# Altium PCB Fri3D_2026_01.PcbDoc (part 3 of 3)
Units mm, origin at the board's own origin, x right, y up, seen from the top; angles counter-clockwise.
Board outline 119 x 61 mm, 2 copper layers (Top Layer, Bottom Layer), stack 1.571 mm thick; 124 components, 92 nets, 509 pads, 184 vias.
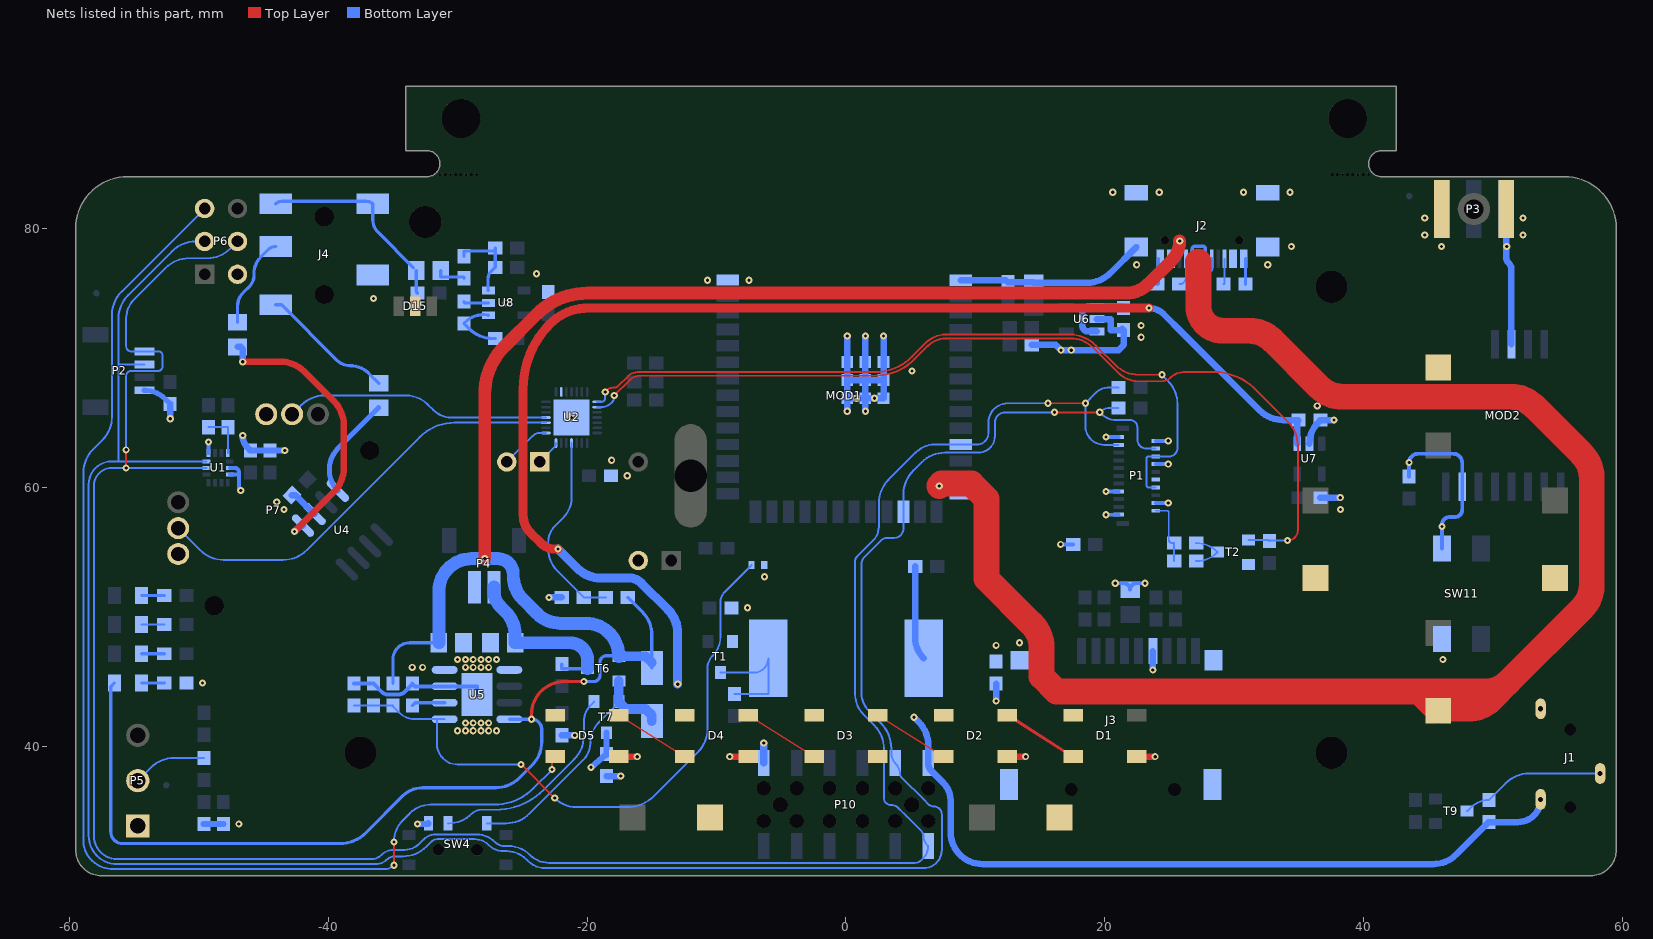
[diagram p3: the nets of this part, all layers, seen from the top]

## Via types
v1: diameter 0.55, hole 0.25, Top Layer to Bottom Layer, 184 vias

## Nets (pads, with @x,y where several pads share a name; then routed paths per layer and width w, separated by ;. In a path a pad name is that pad's centre, name@x,y a point inside that pad or via, vN(x,y) a via of type N, cw(c..) or ccw(c..) an arc to the next point about the centre after c; other vN are vias at no path point) (continued)
GND: C1.2 C2.2 C4.2 C5.2 C6.2 C8.2 C9.2 C10.2 C11.2 C12.2 C13.2 C14.2 C15.2 C16.2 C17.2 C18.2 C20.2 C21.2 C22.2 D1.3 D2.3 D3.3 D4.3 D5.3 D15.2 J1.2 J2.A1 J2.A12 J2.B1 J2.B12 J2.MH1 J2.MH2 J2.MH3 J2.MH4 J3.6 J3.G1 J3.G2 J3.G3 J3.G4 J4.2 MOD1.1 MOD1.40 MOD1.41 MOD2.7 MOD2.10 P1.1 P1.4 P1.7 P1.14 P1.20 P1.21 P2.1 P3.2 P4.1 P5.1 P6.2 P7.3 P7.6 P8.2 P10.1 R5.2 R16.2 R17.2 R22.2 R25.2 R26.2 R27.2 R29.2 R32.2 R37.2 R38.2 R41.1 R42.1 SW4.3 SW5.2 SW6.2 SW7.2 SW8.2 SW9.2 SW10.2 SW11.2 T1.2 T2.2 U1.1 U1.6 U1.7 U2.29 U4.6 U5.3 U5.9 U6.2 U7.2 U8.2 | length 254.3
  Top Layer w0.5: D5.3@-17.55,39.2 v1(-16.121,39.2) ; v1(-8.979,39.2) D4.3@-7.55,39.2 ; D2.3@12.45,39.2 v1(13.879,39.2) ; D1.3@22.45,39.2 v1(23.879,39.2)
  Top Layer w2: v1(7.2,60.1) 7.39,60.29 9.681,60.29 10.853,59.119 10.853,52.947 14.356,49.444 cw(c12.56,47.648) 15.1,47.648 15.1,45.397 16.272,44.225 44.275,44.225 ; 27.2,77.4 cw(c27.2,77.376) 27.224,77.376 27.224,73.993 ccw(c29.117,73.993) 29.117,72.1 31.148,72.1 cw(c31.148,69.56) 32.944,71.356 36.556,67.744 ccw(c38.352,69.54) 38.352,67 51.348,67 cw(c51.348,64.46) 53.144,66.256 56.856,62.544 cw(c55.06,60.748) 57.6,60.748 57.6,52.452 cw(c55.06,52.452) 56.856,50.656 51.169,44.969 ; SW9.2@45.75,42.75 44.275,44.225 ; SW9.2@45.75,42.9 48.048,42.9 ccw(c48.048,45.44) 49.844,43.644 51.169,44.969 ; 44.275,44.225 49.373,44.225 ccw(c49.373,46.765) 51.169,44.969
  Bottom Layer w0.25: R32.2@-29.5,74.35 ccw(c-29.4,74.35) -29.4,74.25 U8.2@-27.625,74.25 ; R38.2@24.05,75.7 ccw(c24.05,75.775) 24.125,75.775 J2.A1@24.125,77.652 ; R37.2@30.85,75.7 30.85,77.628 cw(c30.875,77.628) J2.A12@30.875,77.652
  Bottom Layer w0.3: U1.1@-49.25,62.65 v1(-49.25,63.5) ; U1.7@-47.6,61 -46.9,61 ; U1.6@-47.6,61.5 -47.2,61.5 cw(c-47.2,61.2) -46.9,61.2 -46.9,61 ; v1(-46.75,59.75) cw(c-46.75,59.9) -46.9,59.9 -46.9,61 ; R25.2@-38,44.85 R26.2@-36.5,44.85 -35.826,44.177 ccw(c-35.4,44.603) -35.4,44 -34.583,44 ccw(c-34.583,44.683) -34.1,44.2 -33.535,44.765 ccw(c-33.621,44.85) R22.2@-33.5,44.85 -33.285,44.635 U5.3@-31,44.635 -28.5,44.635 U5.9@-28.5,44 ; v1(16.583,55.6) C4.2@17.55,55.6 ; v1(20.085,57.89) P1.1@21.053,57.89 ; v1(20.085,59.69) P1.7@21.053,59.69 ; v1(20.085,63.89) P1.21@21.053,63.89 ; v1(20.8,52.6) 21.436,52.6 cw(c21.436,52.091) C1.2@21.946,52.091 cw(c22.455,52.091) 22.455,52.6 v1(23.1,52.6) ; P1.4@23.928,58.795 v1(24.895,58.795) ; P1.14@23.928,61.795 v1(24.895,61.795) ; P1.20@23.928,63.595 v1(24.895,63.595) ; C13.2@43.5,60.85 v1(43.5,61.917) cw(c44.183,61.917) 44.183,62.6 46.9,62.6 cw(c46.9,61.9) 47.6,61.9 47.6,58.3 cw(c47,58.3) 47,57.7 46.6,57.7 ccw(c46.6,57.142) 46.042,57.142 SW11.2@46.042,55.292
  Bottom Layer w0.4: P2.1@-54.2,67.5 cw(c-54.2,65.206) -52.578,66.828 C15.2@-52.2,66.45
  Bottom Layer w0.5: v1(-52.2,65.3) C15.2@-52.2,66.45 ; R42.1@-49.6,34 R41.1@-48.1,34 ; v1(-46.6,64) ccw(c-45.272,64) -46.211,63.061 C2.2@-46,62.85 C11.2@-44.5,62.85 v1(-43.35,62.85) ; C6.2@-42.801,59.399 -42.524,59.399 -41.073,57.948 U4.6@-41.046,57.948 ; v1(-33.1,34) -32.3,34 ccw(c-32.3,34.05) SW4.3@-32.25,34.05 ; v1(-22.95,51.5) R29.2@-21.95,51.5 ; R17.2@-21.95,40.85 v1(-20.95,40.85) ; C5.2@-18.5,37.7 v1(-17.4,37.7) ; v1(0.1,65.88) MOD1.41@0.1,66.89 ; v1(0.1,71.7) MOD1.41@0.1,69.69 MOD1.41@0.1,68.29 ; v1(1.5,65.88) MOD1.41@1.5,66.89 ; v1(1.5,71.7) MOD1.41@1.5,69.69 MOD1.41@1.5,68.29 ; v1(2.9,71.7) MOD1.41@2.9,69.69 MOD1.41@2.9,68.29 ; MOD1.1@8.875,76.01 12.34,76.01 C9.2@12.5,75.85 14.45,75.85 C10.2@14.5,75.8 18.61,75.8 ccw(c18.61,78.34) 20.406,76.544 J2.MH1@22.43,78.568 ; C8.2@14.35,71 16.2,71 v1(16.6,70.6) 21.05,70.6 21.45,71 C18.2@21.45,72.15 ; U6.2@19.375,73 20.446,73 20.446,72.15 C18.2@21.45,72.15 ; C18.2@21.344,72.256 C18.2@21.45,72.15 ; v1(23.7,45.9) J3.6@23.7,47.35 ; U7.2@35.8,63.375 cw(c38.154,63.375) 36.49,65.04 C20.2@36.65,65.2 v1(37.7,65.2) ; C21.2@36.65,59.2 v1@38.177,59.211 ; P3.2@51,81.5 51,77.783 ccw(c51.683,77.783) 51.2,77.3 cw(c50.714,76.814) 51.401,76.814 MOD2.10@51.401,71.05 ; MOD1.41@0.1,66.89 MOD1.41@0.1,68.29 ; MOD1.41@0.1,66.89 v1(0.8,66.89) MOD1.41@1.5,66.89 ; MOD1.41@0.1,68.29 MOD1.41@1.5,68.29 ; MOD1.41@1.5,66.89 MOD1.41@1.5,68.29 ; MOD1.41@1.5,66.89 v1(2.2,66.89) MOD1.41@2.9,66.89 MOD1.41@2.9,68.29 ; MOD1.41@1.5,68.29 MOD1.41@2.9,68.29
  Bottom Layer w0.55: P10.1@-6.35,38.7 v1(-6.35,40.25)
  other v1: -46.9,34 -30,41.2 -29.4,41.2 -28.8,41.2 -28.2,41.2 -27.6,41.2 -27,41.2 -29.4,41.8 -28.8,41.8 -28.2,41.8 -27.6,41.8 -49.7,44.9 -33.5,46.1 -32.7,46.1 -29.4,46.1 -28.8,46.1 -28.2,46.1 -27.6,46.1 -30,46.7 -29.4,46.7 -28.8,46.7 -28.2,46.7 -27.6,46.7 -27,46.7 46.1,46.7 11.6,47.8 13.4,48 -7.6,50.7 -6.3,53.1 46.042,56.978 -43.4,58.3 38.2,58.3 -43.966,58.866 38.177,59.205 -16.9,60.9 -18.1,62.1 -21.2,65.4 36.4,66.3 5.1,69 17.4,70.6 22.8,71.6 22.8,72.5 -26.25,74.25 -36.5,74.6 -10.7,76 -7.5,76 -23.9,76.5 22.45,77.2 32.575,77.2 34.4,78.6 46,78.6 51.04,78.6 44.7,79.5 52.3,79.5 44.7,80.8 52.3,80.8 20.6,82.8 24.2,82.8 30.7,82.8 34.3,82.8
HS.L: C24.1 J4.4 | length 10.3
  Bottom Layer w0.25: J4.4@-44.05,74.1 -43.6,74.1 -39.324,69.824 ccw(c-38.3,70.849) -38.3,69.4 cw(c-38.3,67.348) -36.849,68.799 C24.1@-36.1,68.05
HS.MIC: C23.1 J4.1 R30.2 | length 15.6
  Bottom Layer w0.25: J4.1@-44.05,81.9 cw(c-43.567,81.417) -43.567,82.1 -37.033,82.1 cw(c-37.033,81.417) J4.1@-36.55,81.9 -36.55,80.678 ccw(c-35.154,80.678) -36.141,79.691 C23.1@-33.415,76.965 ; C23.1@-33.2,76.75 -33.2,75.241 ccw(c-32.859,75.241) R30.2@-33.1,75
HS.R: C25.1 J4.3 | length 7
  Bottom Layer w0.25: C25.1@-47,72.75 -47,73.976 cw(c-45.477,73.976) -46.554,75.052 -46.069,75.537 ccw(c-46.888,76.356) -45.73,76.356 -45.73,76.524 cw(c-43.93,76.524) -45.203,77.797 -44.647,78.353 cw(c-44.05,77.755) J4.3@-44.05,78.6
I2C.SCL: MOD1.11 P1.19 P2.4 P6.4 P10.12 R10.2 U1.13 | length 189.7
  Top Layer w0.15: v1(-55.6,61.5) v1(-55.6,62.9) ; v1(15.6,66.5) v1(18.5,66.5)
  Bottom Layer w0.146: 4.172,35.103 4.683,34.592
  Bottom Layer w0.15: v1(-55.6,62.9) -55.6,68.6 cw(c-55.2,68.6) -55.595,68.66 cw(c-55.2,68.6) -55.2,69 -53.12,69 ccw(c-53.12,69.32) -52.8,69.32 -52.8,70.2 ccw(c-53.1,70.2) -53.1,70.5 P2.4@-54.2,70.5 -55.2,70.5 cw(c-55.2,70.9) -55.6,70.9 -55.6,73.051 cw(c-53.551,73.051) -55,74.5 -52.544,76.956 cw(c-50.748,75.16) -50.748,77.7 -49.352,77.7 ccw(c-49.352,80.24) -47.556,78.444 P6.4@-47,79 ; U1.13@-49.4,61.5 v1(-55.6,61.5) -56.695,61.5 ccw(c-56.695,60.095) -58.1,60.095 -58.1,33.09 ccw(c-56.31,33.09) -56.31,31.3 -36.624,31.3 ccw(c-36.624,32.324) -35.9,31.6 cw(c-34.934,30.634) -34.934,32 -34.1,32 ccw(c-34.1,33.631) -32.946,32.478 -32.612,32.812 cw(c-31.676,31.876) -31.676,33.2 -28.549,33.2 cw(c-28.549,31.151) -27.1,32.6 -27.083,32.583 ccw(c-26.4,33.266) -26.4,32.3 -26.09,32.3 cw(c-26.09,29.91) -24.4,31.6 ccw(c-22.951,33.049) -22.951,31 5.317,31 ccw(c5.317,31.683) 5.8,31.2 5.961,31.361 ccw(c5.022,32.3) P10.12@6.35,32.3 6.278,32.372 cw(c7.009,33.103) 5.975,33.103 ccw(c5.501,33.103) 5.836,33.439 4.683,34.592 ; 4.172,35.103 4.047,35.228 ccw(c3.45,34.631) 3.45,35.475 cw(c3.45,35.997) 2.928,35.997 2.928,39.82 ccw(c0.388,39.82) 2.184,41.616 1.378,42.422 cw(c3.014,44.059) 0.7,44.059 0.7,54.307 cw(c1.166,54.307) 0.836,54.636 2.1,55.9 ccw(c1.044,56.956) 2.538,56.956 2.538,58.785 cw(c5.078,58.785) 3.282,60.582 5.4,62.7 cw(c6.873,61.227) 6.873,63.31 MOD1.11@8.875,63.31 10.116,63.31 ccw(c10.116,64.194) 11,64.194 11,64.993 cw(c12.507,64.993) 12.507,66.5 v1(15.6,66.5) ; R10.2@21.05,67.7 20.2,67.7 ccw(c20.2,66.493) 19.346,67.346 v1(18.5,66.5) 18.5,64.721 ccw(c19.931,64.721) 19.931,63.29 P1.19@21.053,63.29
I2C.SDA: MOD1.17 P1.18 P2.3 P6.3 P10.9 R9.2 U1.14 | length 187.6
  Top Layer w0.15: v1(16.1,65.8) v1(19.6,65.8)
  Bottom Layer w0.146: P10.9@4.17,37.83 ccw(c4.648,37.928) 4.303,37.583 5.988,35.897
  Bottom Layer w0.15: P2.3@-54.2,69.5 -56.2,69.5 ; P6.3@-49.54,79 -50.248,79 ccw(c-50.248,76.46) -52.044,78.256 -55.456,74.844 ccw(c-53.66,73.048) -56.2,73.048 -56.2,69.5 ; U1.14@-49.4,62 -56.2,62 ; P10.9@4.17,37.83 4.17,37.832 ccw(c2.942,37.832) P10.9@3.81,38.7 cw(c4.558,39.448) 3.5,39.448 3.5,39.817 ccw(c0.644,39.817) 2.664,41.836 1.785,42.715 cw(c3.199,44.128) 1.2,44.128 1.2,54.055 cw(c2.033,54.055) 1.444,54.644 2.675,55.875 cw(c3.218,55.332) 3.054,56.082 cw(c3.218,55.332) 3.218,56.1 3.7,56.1 ccw(c3.7,56.845) 4.445,56.845 MOD1.17@4.445,58.125 4.445,59.493 cw(c6.985,59.493) 5.189,61.289 5.84,61.94 cw(c7.636,60.144) 7.636,62.684 10.223,62.684 ccw(c10.223,63.961) 11.5,63.961 11.5,64.991 cw(c12.309,64.991) 12.309,65.8 v1(16.1,65.8) ; 5.988,35.897 6.352,35.533 ccw(c6.804,35.985) 6.804,35.346 cw(c6.804,34.75) 7.4,34.75 7.4,32 cw(c6,32) 6,30.6 -23.229,30.6 cw(c-23.229,32.541) -24.705,31.281 ccw(c-26.2,29.786) -26.2,31.9 -26.434,31.9 cw(c-26.434,33.566) -27.612,32.388 ccw(c-28.682,31.318) -28.682,32.831 -31.55,32.831 ccw(c-31.55,32.145) -32.036,32.63 -32.422,32.244 cw(c-34.218,34.04) -34.218,31.5 -34.917,31.5 ccw(c-34.917,30.817) -35.4,31.3 cw(c-36.366,32.266) -36.366,30.9 -56.3,30.9 cw(c-56.3,33.1) -58.5,33.1 -58.5,60.238 cw(c-56.738,60.238) -56.738,62 -56.2,62 ; R9.2@21.05,66.134 20.406,66.134 ccw(c20.406,64.994) v1(19.6,65.8) 19.705,65.695 ccw(c20.9,66.89) 20.9,65.2 21.966,65.2 cw(c21.966,64.666) 22.5,64.666 22.5,63.7 ccw(c23.205,63.7) 23.205,62.995 P1.18@23.928,62.995 ; -56.2,62 -56.2,69.5
JOY.X: P7.2 U2.11 | length 20.6
  Bottom Layer w0.15: P7.2@-42.783,65.652 -42.082,66.353 cw(c-40.286,64.557) -40.286,67.097 -33.984,67.097 cw(c-33.984,64.716) -32.3,66.4 -31.885,65.985 ccw(c-30.473,67.396) -30.473,65.4 U2.11@-23.175,65.4
JOY.Y: P7.5 U2.10 | length 33.4
  Bottom Layer w0.15: P7.5@-51.583,56.852 -49.875,55.144 ccw(c-48.079,56.94) -48.079,54.4 -43.467,54.4 ccw(c-43.467,56.94) -41.671,55.144 -32.933,63.881 cw(c-30.232,61.18) -30.232,65 U2.10@-23.175,65
LCD.BL: R3.2 T2.1 U2.23 | length 71
  Top Layer w0.15: v1(-17.9,67.1) -16.683,68.317 cw(c-15.947,67.581) -15.947,68.622 2.229,68.622 ccw(c2.229,72.951) 5.29,69.89 6.324,70.924 cw(c7.734,69.514) 7.734,71.508 17.343,71.508 cw(c17.343,69.042) 18.255,71.333 cw(c17.248,68.898) 19.085,70.788 cw(c17.343,69.042) 19.086,70.786 21.029,68.844 ccw(c22.583,70.399) 22.583,68.2 24.376,68.2 ccw(c24.376,69.224) 25.1,68.5 cw(c26.066,67.534) 26.066,68.9 28.859,68.9 cw(c28.314,64.18) 31.451,67.749 34.156,65.044 cw(c32.36,63.248) 34.9,63.248 34.9,56.7 cw(c34.1,56.7) v1(34.1,55.9)
  Bottom Layer w0.15: U2.23@-19.225,66.2 -18.908,66.2 ccw(c-18.908,67.325) -18.113,66.529 ccw(c-18.655,67.071) -17.888,67.071 v1(-17.9,67.1) ; T2.1@31.1,55.95 32.6,55.95 R3.2@32.7,55.85 cw(c32.75,55.85) 32.75,55.9 v1(34.1,55.9)
LCD.LED_K: R6.2 R43.2 T2.3 | length 3.7
  Bottom Layer w0.15: R6.2@27.05,54.3 ccw(c27.05,56.593) 28.672,54.972 T2.3@28.7,55 28.672,55.028 ccw(c27.05,53.406) R43.2@27.05,55.7
LCD.R\S\T\: P1.8 P1.16 U2.22 | length 58.6
  Top Layer w0.15: v1(-18.6,67.375) -18.469,67.506 cw(c-18,67.036) -18,67.7 -17.882,67.7 ccw(c-17.882,68.082) -17.612,67.812 -16.823,68.6 cw(c-16.1,67.877) -16.1,68.9 2.227,68.9 ccw(c2.227,72.94) 5.083,70.083 6.134,71.134 cw(c7.762,69.507) 7.762,71.808 17.248,71.808 cw(c17.248,68.898) 19.306,70.956 20.818,69.444 ccw(c22.614,71.24) 22.614,68.7 v1(24.4,68.7)
  Bottom Layer w0.15: U2.22@-19.225,66.6 -18.9,66.6 ccw(c-18.9,66.9) -18.6,66.9 v1(-18.6,67.375) ; P1.8@23.928,59.995 23.405,59.995 cw(c23.405,60.2) 23.2,60.2 23.2,62.2 cw(c23.395,62.2) 23.395,62.395 P1.16@23.928,62.395 24.957,62.395 ccw(c24.957,63.038) 25.6,63.038 25.6,66.448 ccw(c23.06,66.448) 24.856,68.244 v1(24.4,68.7)
LCD.TE: P1.10
LED.DOUT: D5.2 P6.5 | length 95.4
  Top Layer w0.15: v1(-34.917,30.817) v1(-34.917,32.6) ; v1(-22.7,38.2) -22.7,39.2 D5.2@-22.45,39.2
  Bottom Layer w0.15: P6.5@-49.54,81.54 -55.956,75.124 ccw(c-54.16,73.328) -56.7,73.328 -56.7,65.452 cw(c-59.24,65.452) -57.444,63.656 -58.156,62.944 ccw(c-56.36,61.148) -58.9,61.148 -58.9,32.7 ccw(c-56.8,32.7) -58.033,31 ccw(c-56.718,32.582) -56.803,30.527 -35.618,30.527 ccw(c-35.618,31.518) v1(-34.917,30.817) ; v1(-34.917,32.6) -34.917,32.612 cw(c-32.529,32.612) -34.218,34.3 -33.678,34.84 cw(c-32.085,33.247) -32.085,35.5 -27.18,35.5 ccw(c-27.18,39.797) -24.141,36.759 v1(-22.7,38.2)
NetBUZ1_1: BUZ1.1 R11.1 T1.3 | length 9.7
  Bottom Layer w0.15: T1.3@-9.7,45.7 -7.1,45.7 ccw(c-7.1,46.8) BUZ1.1@-6,46.8 -6,44.05 R11.1@-8.6,44.05
NetBUZ1_2: BUZ1.2 R4.1 | length 7.3
  Bottom Layer w0.5: R4.1@5.35,53.9 5.35,48.369 ccw(c7.569,48.369) BUZ1.2@6,46.8
NetC23_2: C23.2 R31.2 | length 2.4
  Bottom Layer w0.25: C23.2@-31.3,76.75 -31.3,76.25 -29.5,76.25 R31.2@-29.5,76.15
NetC24_2: C24.2 U4.8 | length 8.1
  Bottom Layer w0.4: U4.8@-39.25,59.744 cw(c-37.681,61.313) -39.9,61.313 -39.9,61.4 cw(c-37.606,61.4) -39.228,63.022 C24.2@-36.1,66.15
NetC25_2: C25.2 U4.5 | length 22.3
  Top Layer w0.5: v1(-46.6,69.7) -43.652,69.7 cw(c-43.652,67.16) -41.856,68.956 -39.544,66.644 cw(c-41.34,64.848) -38.8,64.848 -38.8,61.452 cw(c-41.34,61.452) -39.544,59.656 v1(-42.6,56.6)
  Bottom Layer w0.5: C25.2@-47,70.85 -46.763,70.85 -46.6,70.687 v1(-46.6,69.7) ; v1(-42.6,56.6) -42.047,57.153 U4.5@-41.944,57.05
NetD1_2: D1.2 D2.4 | length 6
  Top Layer w0.25: D2.4@12.45,42.4 13.075,42.025 16.925,39.575 D1.2@17.55,39.2
NetD2_2: D2.2 D3.4 | length 6
  Top Layer w0.15: D3.4@2.45,42.4 3.125,41.975 6.875,39.625 D2.2@7.55,39.2
NetD3_2: D3.2 D4.4 | length 6
  Top Layer w0.15: D4.4@-7.55,42.4 -6.875,41.975 -3.125,39.625 D3.2@-2.45,39.2
NetD4_2: D4.2 D5.4 | length 6
  Top Layer w0.15: D5.4@-17.55,42.4 -16.875,41.975 -13.125,39.625 D4.2@-12.45,39.2
NetD7_2: D7.2 R13.1 | length 1.8
  Bottom Layer w0.25: D7.2@-54.4,51.65 R13.1@-52.65,51.65
NetD10_2: D10.2 R16.1 | length 1.8
  Bottom Layer w0.25: D10.2@-54.4,44.9 R16.1@-52.65,44.9
NetD11_2: D11.2 R24.1 | length 1.8
  Bottom Layer w0.25: D11.2@-54.4,47.15 R24.1@-52.65,47.15
NetD12_2: D12.2 R23.1 | length 1.8
  Bottom Layer w0.15: D12.2@-54.4,49.4 R23.1@-52.65,49.4
NetJ1_3: J1.3 R36.2 T9.3 | length 11.3
  Bottom Layer w0.15: T9.3@47.95,35 ccw(c47.95,35.121) 48.035,35.035 48.284,35.284 cw(c49.65,33.919) R36.2@49.65,35.85 50.956,37.156 cw(c52.752,35.36) 52.752,37.9 J1.3@58.25,37.9
NetJ2_A5: J2.A5 R38.1 | length 2.2
  Bottom Layer w0.15: R38.1@25.75,75.7 ccw(c25.75,76.2) 26.25,76.2 J2.A5@26.25,77.652
NetJ2_B5: J2.B5 R37.1 | length 2
  Bottom Layer w0.15: R37.1@29.15,75.7 ccw(c29.15,75.8) 29.25,75.8 J2.B5@29.25,77.652
NetP1_2: P1.2 R6.1 R43.1 | length 5.1
  Bottom Layer w0.15: P1.2@23.928,58.195 24.84,58.195 24.928,58.107 24.928,55.973 ccw(c25.201,55.973) 25.201,55.7 R43.1@25.35,55.7 R6.1@25.35,54.3
NetP5_2: P5.2 R40.2 | length 5.7
  Bottom Layer w0.15: P5.2@-54.7,37.35 -53.694,38.356 cw(c-51.898,36.56) -51.898,39.1 R40.2@-49.6,39.1
NetR2_2: R2.2 R46.1 U1.4 | length 3.5
  Bottom Layer w0.15: R2.2@-49.25,64.65 R46.1@-47.75,64.65 U1.4@-47.75,62.65
NetR14_2: R14.2 R32.1 U8.1 | length 4.9
  Bottom Layer w0.25: U8.1@-27.625,73.3 -27.676,73.325 ccw(c-27.965,71.228) -29.463,72.725 R32.1@-29.5,72.65 -29.094,72.244 ccw(c-27.298,74.04) -27.298,71.5 R14.2@-27.1,71.5
NetR22_1: R22.1 U5.2 | length 2.6
  Bottom Layer w0.25: R22.1@-33.5,43.15 -33.285,43.365 U5.2@-31,43.365
NetR31_1: R31.1 R33.2 R34.2 U8.3 | length 6.3
  Bottom Layer w0.25: R31.1@-29.5,77.85 -29.5,78.25 R33.2@-27.1,78.25 ; U8.3@-27.625,75.2 cw(c-27.565,75.26) -27.65,75.26 -27.65,76.1 cw(c-26.805,76.1) -27.402,76.698 R34.2@-27.1,77 R33.2@-27.1,78.5
NetU2_16: U2.16
PA2: P9.1 U2.7 | length 2
  Bottom Layer w0.15: P9.1@-23.66,61.97 -22.538,63.092 ccw(c-22.871,63.425) U2.7@-22.4,63.425
PA3: P9.2 U2.8 | length 3.9
  Bottom Layer w0.15: P9.2@-26.2,61.97 -24.189,63.981 cw(c-23.66,63.452) -23.66,64.2 U2.8@-23.175,64.2
PWR.EN: SW4.2 T7.1 | length 16.3
  Bottom Layer w0.15: SW4.2@-30.75,34.05 -30.702,34.05 ccw(c-30.702,36.59) -28.906,34.794 cw(c-28.167,34.055) -28.167,35.1 -27.052,35.1 ccw(c-27.052,40.296) -23.378,36.622 -20.994,39.006 ccw(c-22.79,40.802) -20.25,40.802 -20.25,41.893 cw(c-18.423,41.893) -19.715,43.185 T7.1@-19.45,43.45
TEMP: R21.2 R25.1 R26.1 R27.1 U5.1 | length 49.1
  Top Layer w0.15: v1(-25.1,38.6) v1(-22.5,36)
  Bottom Layer w0.15: R25.1@-38,43.15 R21.2@-35,43.15 -35,43.1 -34.498,42.597 ccw(c-33.284,43.811) -33.284,42.095 U5.1@-31.6,42.095 ; U5.1@-31,42.095 U5.1@-31.6,42.095 ; v1(-25.1,38.6) -30,38.6 cw(c-30,40.2) -31.6,40.2 U5.1@-31.6,42.095 ; v1(-22.5,36) ccw(c-20.81,37.69) -20.81,35.3 -16.915,35.3 ccw(c-16.915,38.232) -14.841,36.159 -11.444,39.556 ccw(c-13.24,41.352) -10.7,41.352 -10.7,46.034 cw(c-9.334,46.034) -10.3,47 ccw(c-11.749,48.449) -9.7,48.449 -9.7,51.1 cw(c-8.493,51.1) -9.346,51.954 R27.1@-7.3,54
USB.D_n: J2.A7 J2.B7 MOD1.13 | length 115.7
  Bottom Layer w0.25: MOD1.13@8.875,60.77 9.01,60.77 cw(c9.01,60.07) 9.505,60.565 ccw(c10,61.06) 10,60.36 cw(c10,59.51) 10.85,59.51 10.85,54.239 ccw(c13.39,54.239) 11.594,52.442 14.324,49.712 cw(c12.21,47.598) 15.2,47.598 15.2,46 ccw(c17.15,46) 17.15,44.05 48.257,44.05 cw(c48.257,43.6) 48.258,44.05 ccw(c48.259,47.771) 50.89,45.14 ; J2.A7@27.75,77.652 27.75,78.453 ccw(c27.576,78.453) 27.576,78.628 26.924,78.628 ccw(c26.924,78.453) 26.75,78.453 J2.B7@26.75,77.652 26.774,77.629 26.774,76.505 26.774,74.602 26.774,74.346 ccw(c29.123,74.349) 29.119,72 29.122,72 ; 29.123,72 31.061,72 cw(c31.061,69.46) 32.858,71.256 36.488,67.626 ccw(c38.602,69.74) 38.602,66.75 51.448,66.75 cw(c51.448,64.21) 53.244,66.006 56.506,62.744 cw(c54.71,60.948) 57.25,60.948 57.25,52.552 cw(c54.71,52.552) 56.506,50.756 50.891,45.141
USB.D_p: J2.A6 J2.B6 MOD1.14 | length 115.6
  Bottom Layer w0.25: MOD1.14@8.875,59.5 9.01,59.5 ccw(c9.01,60.2) 9.505,59.705 cw(c10,59.21) 10,59.91 cw(c10,59.51) 10.4,59.51 10.4,54.239 ccw(c13.39,54.239) 11.276,52.124 14.006,49.394 cw(c12.21,47.598) 14.75,47.598 14.75,46 ccw(c17.15,46) 17.15,43.6 48.257,43.6 ccw(c48.259,47.771) 51.208,44.822 ; J2.A6@27.25,77.652 ccw(c27.313,77.589) 27.224,77.589 27.224,76.6 ; J2.B6@28.25,77.652 28.25,76.95 cw(c27.9,76.95) 27.9,76.6 27.224,76.6 ; 29.122,72.45 29.12,72.45 cw(c29.123,74.349) 27.224,74.346 27.224,74.6 ccw(c26.774,74.602) 27.224,74.602 27.224,76.6 ; 29.123,72.45 31.061,72.45 cw(c31.061,69.46) 33.176,71.574 36.806,67.944 ccw(c38.602,69.74) 38.602,67.2 51.448,67.2 cw(c51.448,64.21) 53.562,66.324 56.824,63.062 cw(c54.71,60.948) 57.7,60.948 57.7,52.552 cw(c54.71,52.552) 56.824,50.438 51.209,44.822
USB.MON: R28.2 R29.1 U2.4 | length 15.2
  Bottom Layer w0.15: U2.4@-21.2,63.425 -21.2,59.215 cw(c-23.41,59.215) -21.847,57.653 -22.5,57 ccw(c-21.293,55.793) -23,55.793 -23,55.25 ccw(c-20.586,55.25) -22.293,53.543 R29.1@-20.25,51.5 R28.2@-18.55,51.5
VB-S: D13.C SW4.1 T6.2 T7.2 | length 19.8
  Bottom Layer w0.15: SW4.1@-27.75,34.05 -26.252,34.05 ccw(c-26.252,36.59) -24.456,34.794 -20.267,38.983 ccw(c-21.514,40.231) -19.75,40.231 cw(c-17.462,40.231) -19.08,41.849 -17.904,43.025 -17.9,43.025 -17.55,43.375 T7.2@-17.55,43.45
  Bottom Layer w0.75: T7.2@-17.55,43.375 -17.5,43.325 -17.425,43.325 -16.975,42.875 -15.475,42.875 -15,42.4 D13.C@-15,41.95 ; T7.2@-17.55,43.45 T6.2@-17.55,45.05
VBAT: C17.1 P4.2 R12.1 T6.3 U5.5 | length 14.2
  Bottom Layer w0.25: R12.1@-21.95,46.35 -21.95,46 T6.3@-19.95,46
  Bottom Layer w1: P4.2@-27.2,52.3 -27.2,52.007 ccw(c-25.493,52.007) -26.7,50.8 -26.294,50.394 cw(c-28.09,48.598) -25.55,48.598 C17.1@-25.55,48 -21.326,48 cw(c-21.326,46.624) -19.95,46.624 T6.3@-19.95,46
VSYS: C5.1 C12.1 C18.1 C20.1 D1.1 D2.1 D3.1 D4.1 D5.1 J1.1 P10.11 R36.1 T7.3 U6.1 U6.3 U7.1 | length 170.6
  Top Layer w0.7: v1(-22.25,55.25) cw(c-22.444,56.844) -23.579,55.709 -24.378,56.508 cw(c-23.031,57.855) -24.937,57.855 -24.937,67.617 cw(c-17.843,67.617) -22.859,72.633 cw(c-19.92,69.694) -19.92,73.85 v1(23.398,73.85)
  Bottom Layer w0.5: v1@-19.69,38.385 v1(-19.7,38.375) C5.1@-18.5,39.4 ; C5.1@-18.5,39.35 C5.1@-18.5,39.4 ; T7.3@-18.5,41.05 C5.1@-18.5,39.4 ; v1(5.25,42.25) 5.606,41.894 cw(c3.81,40.098) 6.35,40.098 P10.11@6.35,38.7 ccw(c7.205,38.7) 6.6,38.095 7.537,37.159 cw(c6.231,35.853) 8.078,35.853 8.078,33.376 ccw(c10.554,33.376) 10.554,30.9 45.348,30.9 ccw(c45.348,33.44) 47.144,31.644 R36.1@49.65,34.15 51.9,34.15 ccw(c51.9,35.9) J1.1@53.65,35.9 ; v1(11.6,43.5) C12.1@11.6,44.85 ; U6.3@19.375,72.05 18.7,72.05 cw(c18.7,72.5) 18.25,72.5 18.25,73.5 cw(c18.7,73.5) 18.7,73.95 U6.1@19.375,73.95 21.35,73.95 cw(c21.35,73.85) C18.1@21.45,73.85 v1(23.398,73.85) cw(c23.398,72.245) 24.533,73.38 25.995,71.918 26.796,71.116 26.798,71.114 ; U7.1@34.85,63.375 34.85,64.959 cw(c35.191,64.959) C20.1@34.95,65.2 33.765,65.2 cw(c33.765,67.74) 31.969,65.944 26.8,71.113 ; 26.798,71.114 ccw(c28.407,72.724) 26.8,71.113 ; 26.798,71.114 26.8,71.113
  Bottom Layer w0.7: v1(-22.25,55.25) -20.744,53.744 ccw(c-18.948,55.54) -18.948,53 -16.75,53 cw(c-16.75,51.672) -15.811,52.611 -13.744,50.544 cw(c-15.54,48.748) -13,48.748 v1(-13,44.8)
VUSB: C16.1 D10.1 D13.A J2.A4 J2.A9 J2.B4 J2.B9 R21.1 R28.1 T6.1 U5.4 U5.8 | length 173.6
  Top Layer w0.25: v1(-24.295,42.095) -24.295,42.46 cw(c-21.755,42.46) -21.755,45 v1(-20.25,45)
  Top Layer w1: v1(-27.905,54.5) -27.905,67.215 cw(c-22.739,67.215) -26.392,70.868 -23.872,73.388 cw(c-19.981,69.496) -19.981,75 21.622,75 ccw(c21.622,77.421) 23.334,75.709 25.156,77.531 ccw(c23.663,79.025) v1(25.775,79.025)
  Bottom Layer w0.25: D10.1@-56.5,44.9 -56.784,44.616 -56.784,33.391 ccw(c-55.882,33.391) -55.882,32.488 -39.098,32.488 ccw(c-39.098,35.35) -37.074,33.326 -34.227,36.173 cw(c-32.713,34.659) -32.713,36.8 -29.707,36.8 -27.052,36.8 ccw(c-27.052,39.34) -25.256,37.544 -24.244,38.556 ccw(c-26.04,40.352) -23.5,40.352 -23.5,41.3 ccw(c-24.295,41.3) v1(-24.295,42.095) U5.8@-26,42.095 ; R21.1@-35,44.85 -35,46.7 cw(c-33.7,46.7) -33.7,48 C16.1@-31.45,48 ; v1(-20.25,45) -19.5,45 ccw(c-19.5,45.5) -19,45.5 -19,46.5 cw(c-18.5,46.5) -18.5,47 T6.1@-17.75,47 ; R28.1@-16.85,51.5 -15.744,50.394 cw(c-17.54,48.598) -15,48.598 -15,46.475 D13.A@-15,46.05
  Bottom Layer w0.75: T6.1@-17.55,46.95 -15.475,46.95 D13.A@-15,46.475
  Bottom Layer w1: C16.1@-31.45,48 -31.45,51.96 cw(c-28.91,51.96) -28.91,54.5 -26.9,54.5 cw(c-26.9,53.3) -25.7,53.3 -25.7,53.152 ccw(c-23.16,53.152) -24.956,51.356 -23.844,50.244 ccw(c-22.048,52.04) -22.048,49.5 -20.09,49.5 cw(c-20.09,46.96) -17.55,46.96 T6.1@-17.55,46.95
pads on no net: J1.0 J2.0 J2.A8 J2.B8 J3.0 J3.1 J3.8 J3.9 J4.0 M1.1 M2.1 M3.1 M4.1 M5.0 M6.0 M7.0 MOD1.28 MOD1.29 MOD1.30 P1.SH P2.Z1 P2.Z2 P4.M1 P4.M2 P7.MH P10. SW4.M1 SW4.M2 SW4.M3 SW4.M4 SW4.M5 SW4.M6 U1.2 U1.3 U1.9 U1.10 U1.11 U2.9 U2.15 U2.26 U2.28 U6.4 U7.4

## Polygon pours and split planes (outlines as drawn)
GND on Top Layer "NONET_L-01_P-001" (solid, remove dead copper, pour order 2): -59.5,30 -59.5,84 59.5,84 59.5,30
VSYS on Top Layer "VSYS_L-01_P-001" (solid, remove dead copper, pour order 0): 18.5,41.25 18.5,44.25 -10.293,44.25 cw(c-10.293,45.957) -11.5,44.75 ccw(c-12.707,43.543) -12.707,45.25 -13.793,45.25 ccw(c-13.793,43.543) -15,44.75 cw(c-16.207,45.957) -16.207,44.25 -22.5,44.25 ccw(c-22.5,43) -23.75,43 -23.75,42.25 ccw(c-23,42.25) -23,41.5 -20.75,41.5 cw(c-20.75,41) -20.25,41 -20.25,38.25 ccw(c-19.75,38.25) -19.75,37.75 ccw(c-19.75,38.5) -19,38.5 -19,40.75 cw(c-18.5,40.75) -18.5,41.25
GND on Bottom Layer "NONET_L-01_P-001" (solid, remove dead copper, pour order 1): -59.483,29.946 -59.483,83.946 59.517,83.946 59.517,29.946

## Keep-outs
Top Layer:
  circle w0.1: c-32.5,80.5 r1.8
  circle w0.1: c37.5,75.5 r1.8
  circle w0.1: c-37.5,39.5 r1.8
  circle w0.1: c37.5,39.5 r1.8
Bottom Layer:
  circle w0.1: c-32.5,80.5 r1.8
  circle w0.1: c37.5,75.5 r1.8
  circle w0.1: c-37.5,39.5 r1.8
  circle w0.1: c37.5,39.5 r1.8
Keep-Out Layer:
  lines w0.15: -27.206,84.9 -20.804,78.498 ccw(c-18.636,80.666) -18.636,77.6 12.636,77.6 ccw(c12.636,80.666) 14.804,78.498 20.603,84.297
  text ".Layer_Name" at 184.902,-39.311 h3.5

## Other copper
Top Layer:
  text ".Layer_Name" at 184.902,-39.311 h3.5
Bottom Layer:
  drawing of 34 lines, arcs and shapes, not listed
  text ".Layer_Name" at 184.902,-39.311 h3.5

## Silkscreen, mask and mechanical layers (free items; w line width, h text height)
Top Overlay:
  text ".Layer_Name" at 184.902,-39.311 h3.5
Bottom Overlay:
  drawing of 125 lines, arcs and shapes, not listed
  text "IO21" at -45.6,82.65 h1.5
  text "ESP32-S3" at -9.5,81.914 h2.5
  text "IO1" at -24.5,81.553 h1.5
  text "LED" at -50.54,81.04 h1.5
  text "SCL" at -43,79.6 h1.5
  text "Wim" at 43,78.9 h2 r351
  text "SDA" at -50.54,78.5 h1.5
  text "8MB PSRAM / 16MB FLASH" at -9.5,78.501 h2.5
  text "V+" at -50.54,75.96 h1.5
  text "GND" at -43,75.96 h1.5
  text "CS=IO45 / INT=IO40 / RF SW=IO46 / BUSY=IO41" at 58.5,73 h1.5
  text "LoRa" at 58.581,71.676 h2
  text "IO" at -27.119,70.776 h2
  text "LCD" at 18.681,69.576 h2
  text "DCK/SCL=IO42 / DIO/SDA=IO39 / BOOT/INT=IO3" at -23.8,67.1 h1.5
  text "CS=IO5 / DC=IO4 / INT=IO13" at 18.42,66.409 h1.5
  text "SPI" at 30.151,62.376 h2
  text "Y" at -51.75,60.5 h2
  text "X" at -50.5,60.5 h2
  text "BOOT" at -14.9,59.8 h1.5 r270
  text "CLK=IO7 / MISO=IO8 / MOSI=IO6" at 32,59.2 h1.5
  text "PA2 /  /  / PA3" at -26.7,58.8 h1.5 r270
  text "IO48" at -43.516,56.833 h1.5
  text "IO38" at 1.27,53.344 h1.5
  text "+" at -26.781,51.509 h1.5 r180
  text "+3V3 /  / GND" at -16.4,50.7 h1.5 r270
  text "D" at -57.532,50.652 h3.5
  text "RESET" at 50.1,48.8 h2 r270
  text "S" at -57.406,48.402 h3.5
  text "C" at -57.282,46.152 h3.5
  text "IO10" at 55.944,45.14 h1.5
  text "+" at -57.388,43.423 h5
  text ".PCB_TITLE / Rev. .PCB_Rev" at 49.291,42.787 h2.5 r359.98
  text "IO14" at 32.259,39.946 h1.5
  text "GND" at -5.58,38.29 h1.5 r270
  text "44" at -3.04,38.29 h1.5 r270
  text "47" at -0.5,38.29 h1.5 r270
  text "15" at 2.04,38.29 h1.5 r270
  text "SDA" at 4.58,38.29 h1.5 r270
  text "VSYS" at 7.12,38.29 h1.5 r270
  text "START=BOOT=IO0 / MIC in=IO1=ADC1 CH0 / I²C SDA=IO9, SCL=IO18" at 41.5,31.531 h1.5
  text "ON" at -36,30.5 h2.5 r270
  text "OFF" at -25.378,29.99 h2.5 r270
  text "3V" at -5.58,29.71 h1.5 r270
  text "43" at -3.04,29.71 h1.5 r270
  text "2" at -0.5,29.71 h1.5 r270
  text "16" at 2.04,29.71 h1.5 r270
  text "17" at 4.58,29.71 h1.5 r270
  text "SCL" at 7.12,29.71 h1.5 r270
  text ".Layer_Name" at 184.902,-39.311 h3.5
Top Paste:
  text ".Layer_Name" at 184.902,-39.311 h3.5
Bottom Paste:
  text ".Layer_Name" at 184.902,-39.311 h3.5
Top Solder:
  text ".Layer_Name" at 184.902,-39.311 h3.5
Bottom Solder:
  text ".Layer_Name" at 184.902,-39.311 h3.5
Drill Guide:
  text ".Layer_Name" at 184.902,-39.311 h3.5
3D Symbols:
  text ".Layer_Name" at 184.902,-39.311 h3.5
Board Outline:
  lines w0.1: -58.5,80 cw(c-55.5,80) -55.5,83 -54.5,83 cw(c-54.5,82.1) -53.6,82.1 ; -58.5,80 ccw(c-58.5,80) -58.5,80 ; -58.5,80 ccw(c-58.5,80) -58.5,80 ; -58.5,80 -58.5,79 ccw(c-57.6,79) -57.6,78.1 -56.6,78.1 ccw(c-56.6,81.1) -53.6,81.1 -53.6,82.1 ; -53.6,82.1 ccw(c-53.6,82.1) -53.6,82.1 ; 53.6,82.1 ccw(c53.6,82.1) 53.6,82.1 ; 53.6,82.1 cw(c54.5,82.1) 54.5,83 55.5,83 cw(c55.5,80) 58.5,80 ; 53.6,82.1 53.6,81.1 ccw(c56.6,81.1) 56.6,78.1 57.6,78.1 ccw(c57.6,79) 58.5,79 58.5,80 ; 58.5,80 ccw(c58.5,80) 58.5,80 ; 58.5,80 ccw(c58.5,80) 58.5,80 ; -59.5,32 ccw(c-57.5,32) -57.5,30 57.5,30 ccw(c57.5,32) 59.5,32 59.5,80 ccw(c55.5,80) 55.5,84 41.366,84 cw(c41.366,85) 41.366,86 42.5,86 42.5,91 -34,91 -34,86 -32.366,86 cw(c-32.366,85) -32.366,84 -55.5,84 ccw(c-55.5,80) -59.5,80 -59.5,32 ; -27.5,84 cw(c-27.5,85) -27.5,86 36.5,86 cw(c36.5,85) 36.5,84 -27.5,84 ; 39.23,30 39.23,30
Comments:
  lines w0.1: -29.4,45.7 -22.51,45.7 ; -22.51,57.59 -76.82,57.59 -76.82,64.19 -22.51,64.19 ; -22.51,45.7 23.69,45.7 23.69,79.89 -22.51,79.89 -22.51,45.7 ; -49.5,-58 ccw(c-47.5,-58) -47.5,-60 47.5,-60 ccw(c47.5,-58) 49.5,-58 49.5,-7 ccw(c47.5,-7) 47.5,-5 -47.5,-5 ccw(c-47.5,-7) -49.5,-7 -49.5,-58 ; -29.4,45.72 ccw(c-28.13,45.72) -28.13,44.45 28.13,44.45 ccw(c28.13,45.72) 29.4,45.72 29.4,80.28 ccw(c28.13,80.28) 28.13,81.55 -28.13,81.55 ccw(c-28.13,80.28) -29.4,80.28 -29.4,45.72
  lines w0.3: -26.82,60.89 27.49,60.89
  text "Paracord 425 Type II = 3mm" at 69.923,104.779 h2
  text "Paracord 550 Type III = 4mm" at 69.846,100.675 h2
  text ".Layer_Name" at 184.902,-39.311 h3.5
Fabrication:
  text "White Solder Mask" at -111,-7.5 h1.5
  text "Black Silkscreen" at -111,-10.5 h1.5
  text "1.6mm Thickness" at -111,-16.5 h1.5
  text ".Layer_Name" at 184.902,-39.311 h3.5
Top Placebound:
  text ".Layer_Name" at 184.902,-39.311 h3.5
Bottom Placebound:
  text ".Layer_Name" at 184.902,-39.311 h3.5
Stencil:
  region: -32.3,118.5 ccw(c-29.75,118.5) -29.75,115.95 ccw(c-29.75,118.5) -27.2,118.5 ccw(c-29.75,118.5) -29.75,121.05 ccw(c-29.75,118.5)
  region: 41.3,118.5 cw(c38.75,118.5) 38.75,115.95 cw(c38.75,118.5) 36.2,118.5 cw(c38.75,118.5) 38.75,121.05 cw(c38.75,118.5)
  lines w0.15: -79.5,-18.5 -79.5,137.5 79.5,137.5 79.5,-18.5 -79.5,-18.5
Frame:
  drawing of 15 lines, arcs and shapes, not listed
  text "Document" at 180.402,-24.311 h2
  text ".PCB_TITLE" at 181.902,-29.811 h3.2
  text "Layer Name" at 180.402,-34.311 h2
  text "Date" at 180.402,-44.311 h2
  text "Rev" at 220.402,-44.311 h2
  text ".Print_Date" at 183.402,-49.811 h3.5
  text ".PCB_REV" at 224.902,-49.811 h4
  text "Desginer" at 130.402,-54.311 h2
  text "Document" at 180.402,-54.311 h2
  text ".Pcb_File_Name_No_Path" at 181.902,-59.311 h1.5
  text ".PCB_ENGINEER" at 134.902,-59.811 h4
Top Assembly:
  text ".Layer_Name" at 184.902,-39.311 h3.5
Bottom Assembly:
  text ".Layer_Name" at 184.902,-39.311 h3.5
Drill Drawing:
  drawing of 164 lines, arcs and shapes, not listed
  text "Symbol" at 72.058,97.65 h0.96
  text "Count" at 78.856,97.65 h0.96
  text "Hole Size" at 86.887,97.65 h0.96
  text "Plated" at 102.116,97.65 h0.96
  text "Hole Type" at 108.915,97.65 h0.96
  text "Drill Layer Pair" at 118.752,97.65 h0.96
  text "Via/Pad" at 138.779,97.65 h0.96
  text "Pad Shape" at 146.697,97.65 h0.96
  text "Template" at 156.695,97.65 h0.96
  text "Hole Length" at 174.589,97.65 h0.96
  text "Routed Path Length" at 190.218,97.65 h0.96
  text "1" at 78.856,95.65 h0.8
  text "1,500mm (59,06mil)" at 86.887,95.65 h0.8
  text "PTH" at 102.116,95.65 h0.8
  text "Round" at 108.915,95.65 h0.8
  text "Top Layer - Bottom Layer" at 118.752,95.65 h0.8
  text "Pad" at 138.779,95.65 h0.8
  text "Rounded" at 146.697,95.65 h0.8
  text "c250h150" at 156.695,95.65 h0.8
  text "-" at 174.589,95.65 h0.8
  text "-" at 190.218,95.65 h0.8
  text "B" at 71.658,95.5 h0.89
  text "1" at 78.856,93.65 h0.8
  text "2,500mm (98,43mil)" at 86.887,93.65 h0.8
  text "NPTH" at 102.116,93.65 h0.8
  text "Slot" at 108.915,93.65 h0.8
  text "Top Layer - Bottom Layer" at 118.752,93.65 h0.8
  text "Pad" at 138.779,93.65 h0.8
  text "Rounded" at 146.697,93.65 h0.8
  text "r800_250hn250_800r125" at 156.695,93.65 h0.8
  text "8,000mm (314,96mil)" at 174.589,93.65 h0.8
  text "5,500mm (216,54mil)" at 190.218,93.65 h0.8
  text "2" at 78.856,91.65 h0.8
  text "0,650mm (25,59mil)" at 86.887,91.65 h0.8
  text "NPTH" at 102.116,91.65 h0.8
  text "Round" at 108.915,91.65 h0.8
  text "Top Layer - Bottom Layer" at 118.752,91.65 h0.8
  text "Pad" at 138.779,91.65 h0.8
  text "Rounded" at 146.697,91.65 h0.8
  text "c65hn65" at 156.695,91.65 h0.8
  text "-" at 174.589,91.65 h0.8
  text "-" at 190.218,91.65 h0.8
  text "2" at 78.856,89.65 h0.8
  text "1,000mm (39,37mil)" at 86.887,89.65 h0.8
  text "NPTH" at 102.116,89.65 h0.8
  text "Round" at 108.915,89.65 h0.8
  text "Top Layer - Bottom Layer" at 118.752,89.65 h0.8
  text "Pad" at 138.779,89.65 h0.8
  text "Rounded" at 146.697,89.65 h0.8
  text "c0hn100" at 156.695,89.65 h0.8
  text "-" at 174.589,89.65 h0.8
  text "-" at 190.218,89.65 h0.8
  text "2" at 78.856,87.65 h0.8
  text "1,200mm (47,24mil)" at 86.887,87.65 h0.8
  text "NPTH" at 102.116,87.65 h0.8
  text "Round" at 108.915,87.65 h0.8
  text "Top Layer - Bottom Layer" at 118.752,87.65 h0.8
  text "Pad" at 138.779,87.65 h0.8
  text "Rounded" at 146.697,87.65 h0.8
  text "c120hn120" at 156.695,87.65 h0.8
  text "-" at 174.589,87.65 h0.8
  text "-" at 190.218,87.65 h0.8
  text "2" at 78.856,85.65 h0.8
  text "3,000mm (118,11mil)" at 86.887,85.65 h0.8
  text "NPTH" at 102.116,85.65 h0.8
  text "Round" at 108.915,85.65 h0.8
  text "Top Layer - Bottom Layer" at 118.752,85.65 h0.8
  text "Pad" at 138.779,85.65 h0.8
  text "Rounded" at 146.697,85.65 h0.8
  text "c300hn300m340" at 156.695,85.65 h0.8
  text "-" at 174.589,85.65 h0.8
  text "-" at 190.218,85.65 h0.8
  text "3" at 78.856,83.65 h0.8
  text "0,400mm (15,75mil)" at 86.887,83.65 h0.8
  text "PTH" at 102.116,83.65 h0.8
  text "Slot" at 108.915,83.65 h0.8
  text "Top Layer - Bottom Layer" at 118.752,83.65 h0.8
  text "Pad" at 138.779,83.65 h0.8
  text "Rounded" at 146.697,83.65 h0.8
  text "r160_80h40_120r40" at 156.695,83.65 h0.8
  text "1,200mm (47,24mil)" at 174.589,83.65 h0.8
  text "0,800mm (31,50mil)" at 190.218,83.65 h0.8
  text "3" at 78.856,81.65 h0.8
  text "1,200mm (47,24mil)" at 86.887,81.65 h0.8
  text "PTH" at 102.116,81.65 h0.8
  text "Round" at 108.915,81.65 h0.8
  text "Top Layer - Bottom Layer" at 118.752,81.65 h0.8
  text "Pad" at 138.779,81.65 h0.8
  text "(Mixed)" at 146.697,81.65 h0.8
  text "(Mixed)" at 156.695,81.65 h0.8
  text "-" at 174.589,81.65 h0.8
  text "-" at 190.218,81.65 h0.8
  text "4" at 78.856,79.65 h0.8
  text "0,900mm (35,43mil)" at 86.887,79.65 h0.8
  text "NPTH" at 102.116,79.65 h0.8
  text "Round" at 108.915,79.65 h0.8
  text "Top Layer - Bottom Layer" at 118.752,79.65 h0.8
  text "Pad" at 138.779,79.65 h0.8
  text "Rounded" at 146.697,79.65 h0.8
  text "(Mixed)" at 156.695,79.65 h0.8
  text "-" at 174.589,79.65 h0.8
  text "-" at 190.218,79.65 h0.8
  text "4" at 78.856,77.65 h0.8
  text "1,500mm (59,06mil)" at 86.887,77.65 h0.8
  text "NPTH" at 102.116,77.65 h0.8
  text "Round" at 108.915,77.65 h0.8
  text "Top Layer - Bottom Layer" at 118.752,77.65 h0.8
  text "Pad" at 138.779,77.65 h0.8
  text "Rounded" at 146.697,77.65 h0.8
  text "c150hn150" at 156.695,77.65 h0.8
  text "-" at 174.589,77.65 h0.8
  text "-" at 190.218,77.65 h0.8
  text "4" at 78.856,75.65 h0.8
  text "2,500mm (98,43mil)" at 86.887,75.65 h0.8
  text "PTH" at 102.116,75.65 h0.8
  text "Round" at 108.915,75.65 h0.8
  text "Top Layer - Bottom Layer" at 118.752,75.65 h0.8
  text "Pad" at 138.779,75.65 h0.8
  text "Rounded" at 146.697,75.65 h0.8
  text "c250h250" at 156.695,75.65 h0.8
  text "-" at 174.589,75.65 h0.8
  text "-" at 190.218,75.65 h0.8
  text "6" at 78.856,73.65 h0.8
  text "1,100mm (43,31mil)" at 86.887,73.65 h0.8
  text "PTH" at 102.116,73.65 h0.8
  text "Round" at 108.915,73.65 h0.8
  text "Top Layer - Bottom Layer" at 118.752,73.65 h0.8
  text "Pad" at 138.779,73.65 h0.8
  text "Rounded" at 146.697,73.65 h0.8
  text "c170h110" at 156.695,73.65 h0.8
  text "-" at 174.589,73.65 h0.8
  text "-" at 190.218,73.65 h0.8
  text "11" at 78.856,71.65 h0.8
  text "0,900mm (35,43mil)" at 86.887,71.65 h0.8
  text "PTH" at 102.116,71.65 h0.8
  text "Round" at 108.915,71.65 h0.8
  text "Top Layer - Bottom Layer" at 118.752,71.65 h0.8
  text "Pad" at 138.779,71.65 h0.8
  text "(Mixed)" at 146.697,71.65 h0.8
  text "(Mixed)" at 156.695,71.65 h0.8
  text "-" at 174.589,71.65 h0.8
  text "-" at 190.218,71.65 h0.8
  text "12" at 78.856,69.65 h0.8
  text "1,100mm (43,31mil)" at 86.887,69.65 h0.8
  text "NPTH" at 102.116,69.65 h0.8
  text "Round" at 108.915,69.65 h0.8
  text "Top Layer - Bottom Layer" at 118.752,69.65 h0.8
  text "Pad" at 138.779,69.65 h0.8
  text "Rounded" at 146.697,69.65 h0.8
  text "c110hn110" at 156.695,69.65 h0.8
  text "-" at 174.589,69.65 h0.8
  text "-" at 190.218,69.65 h0.8
  text "16" at 78.856,67.65 h0.8
  text "0,250mm (9,84mil)" at 86.887,67.65 h0.8
  text "NPTH" at 102.116,67.65 h0.8
  text "Round" at 108.915,67.65 h0.8
  text "Top Layer - Bottom Layer" at 118.752,67.65 h0.8
  text "Pad" at 138.779,67.65 h0.8
  text "Rounded" at 146.697,67.65 h0.8
  text "c25hn25m25" at 156.695,67.65 h0.8
  text "-" at 174.589,67.65 h0.8
  text "-" at 190.218,67.65 h0.8
  text "A" at 71.658,67.5 h0.89
  text "184" at 78.856,65.65 h0.8
  text "0,250mm (9,84mil)" at 86.887,65.65 h0.8
  text "PTH" at 102.116,65.65 h0.8
  text "Round" at 108.915,65.65 h0.8
  text "Top Layer - Bottom Layer" at 118.752,65.65 h0.8
  text "Via" at 138.779,65.65 h0.8
  text "Rounded" at 146.697,65.65 h0.8
  text "v55h25m35" at 156.695,65.65 h0.8
  text "-" at 174.589,65.65 h0.8
  text "-" at 190.218,65.65 h0.8
  text "257 Total" at 78.856,63.65 h0.8
  text "Slot definitions :" at 72.058,61.684 h0.8
  text "Routed Path Length" at 85.874,61.684 h0.8
  text "= Calculated from tool start centre position to tool end centre position." at 100.623,61.684 h0.8
  text "Hole Length" at 85.874,60.317 h0.8
  text "= Routed Path Length + Tool Size = Slot length as defined in the PCB layout" at 95.158,60.317 h0.8
  text ".Layer_Name" at 184.902,-39.311 h3.5
Panel:
  text ".Layer_Name" at 184.902,-39.311 h3.5

## Dimensions
-55.5,84 to -57.5,30 on Fabrication
-59.5,32 to 59.5,32 on Fabrication

## Text inside footprints (layer, text, board x,y; h text height)
J2: Comments "PCB Edge" at 25.2,84.7 h0.61 r180
J3: Comments "uSD CARD" at 25.7,28.6 h1.2
P1: Comments "Cable Entry" at 19.923,58.308 h0.5 r270
P3: Comments "PCB EDGE" at 51.6,84.15 h0.8
P5: Comments "IN" at -57.2,35.02 h0.8 r270